# Altium PCB smoothieboard-5driver.PcbDoc (part 2 of 5) (continued)
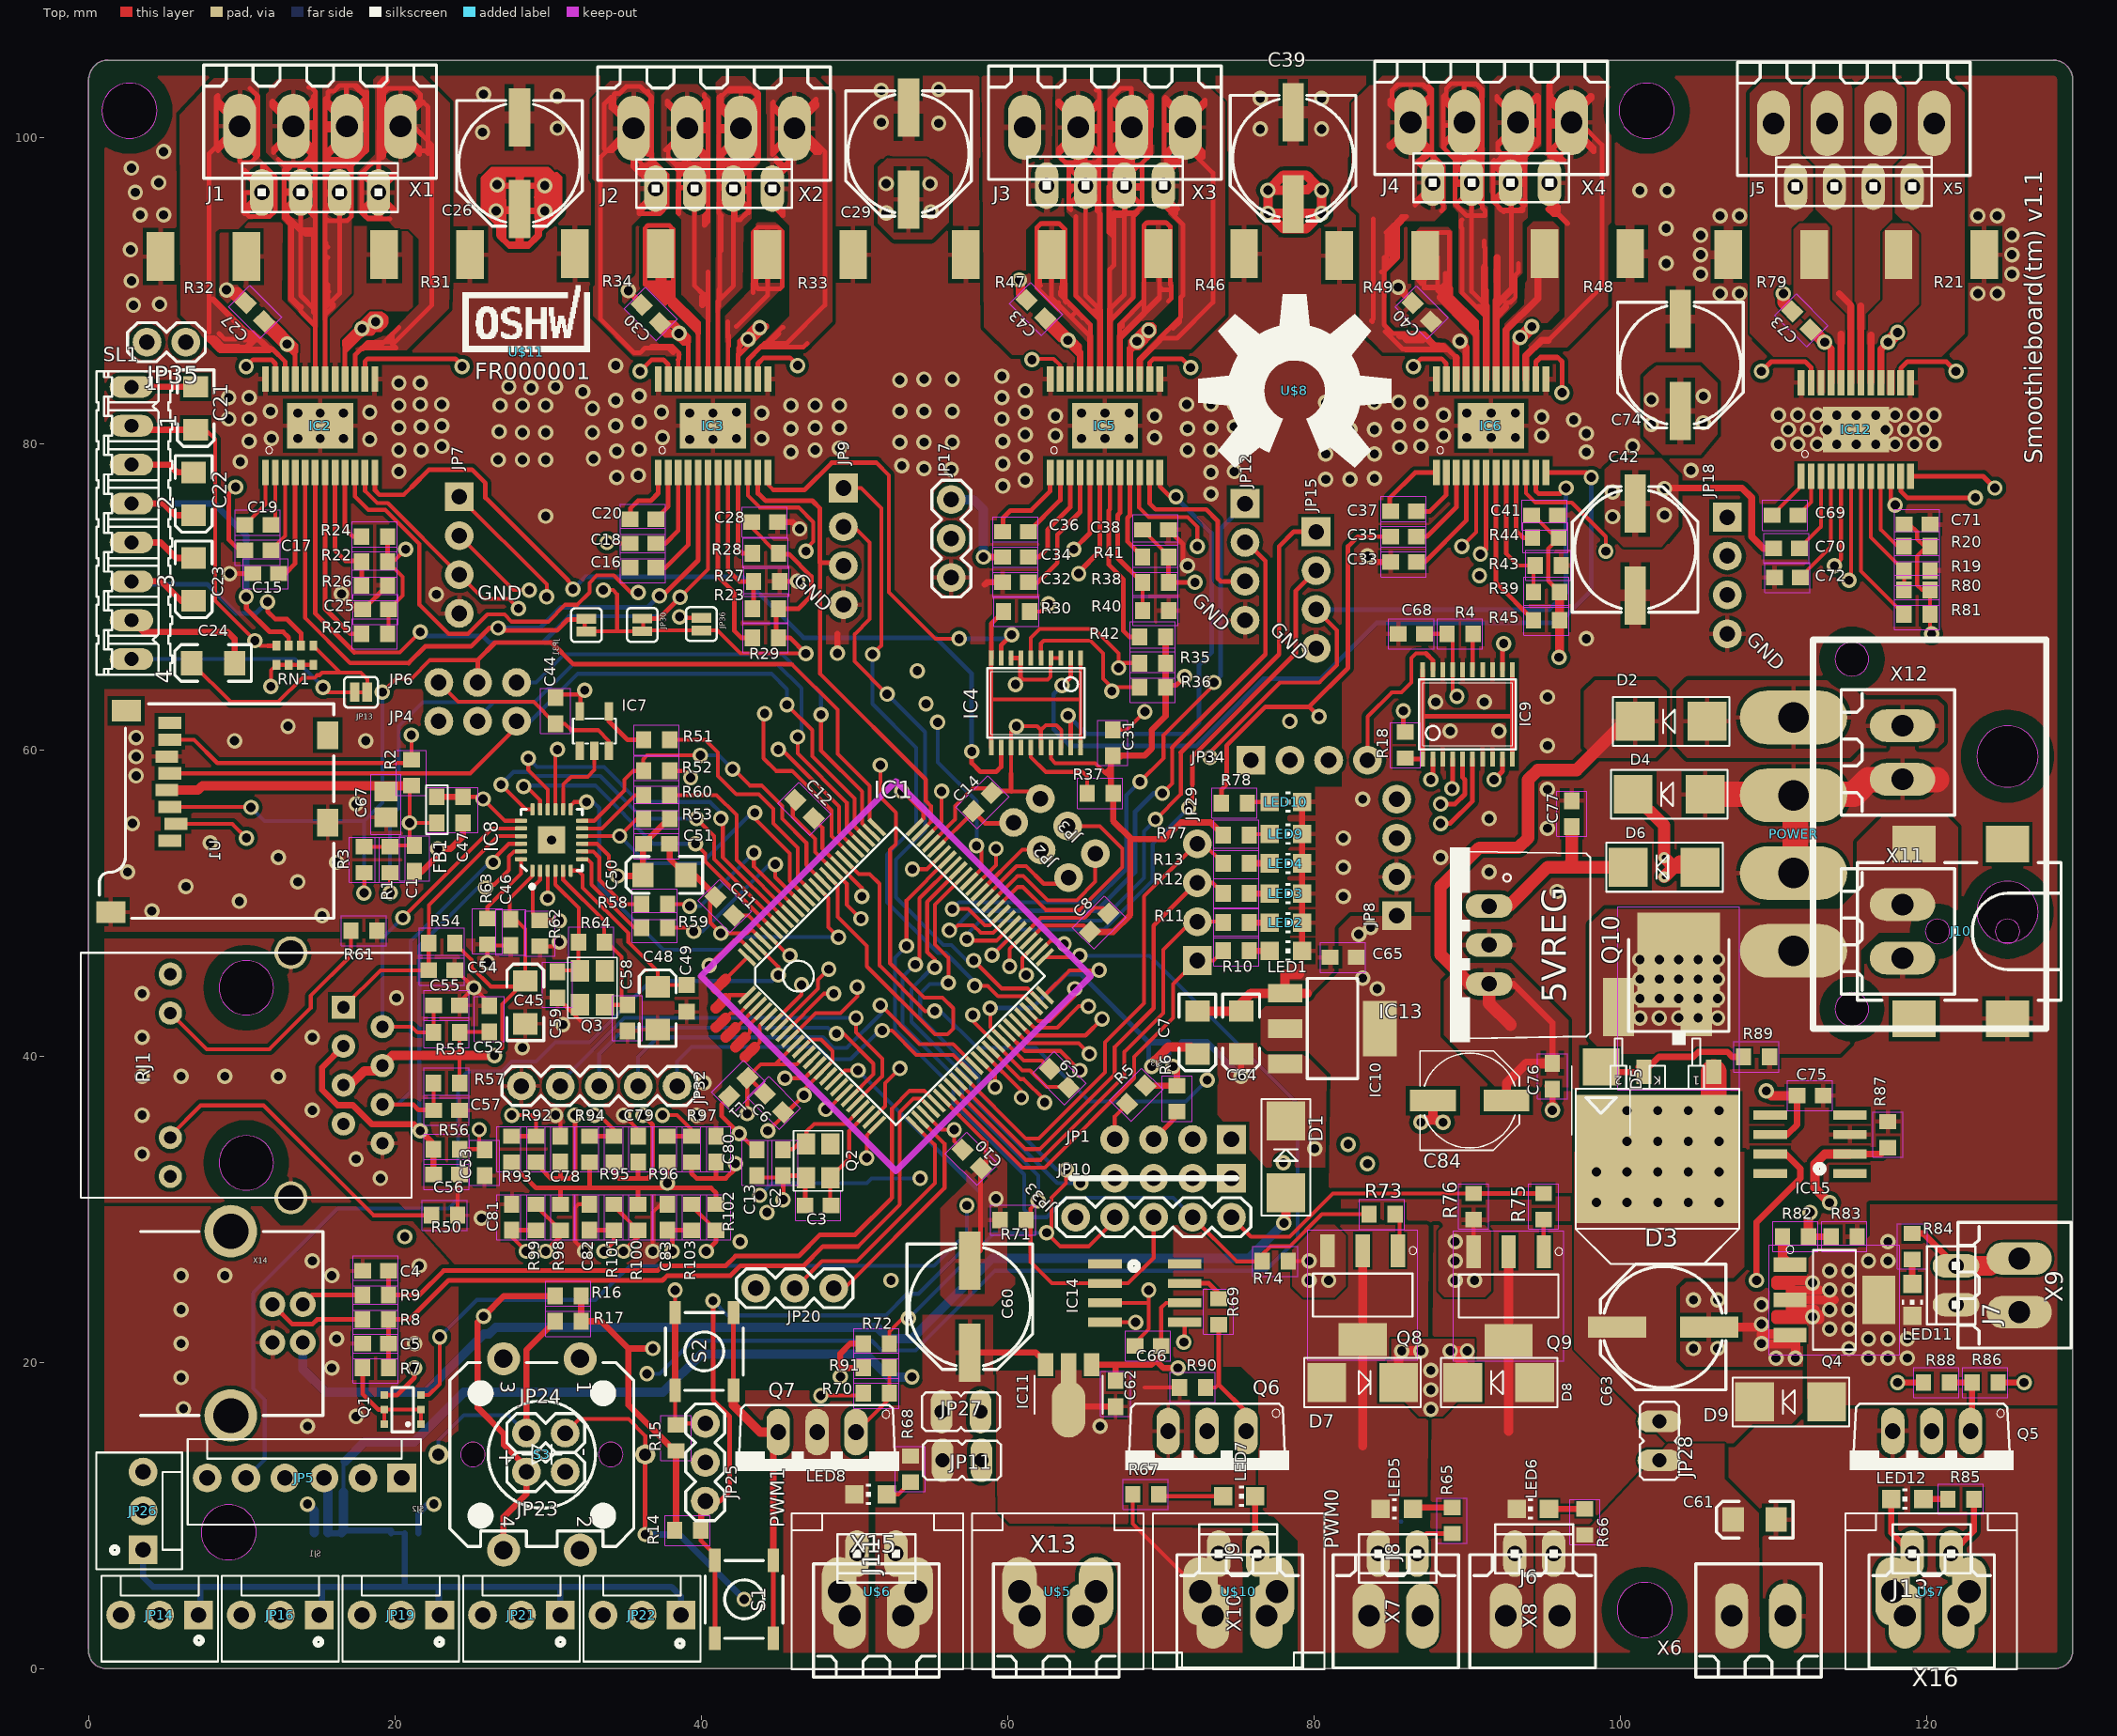
[diagram p0: Top view]
## Nets (pads, with @x,y where several pads share a name; then routed paths per layer and width w, separated by ;. In a path a pad name is that pad's centre, name@x,y a point inside that pad or via, vN(x,y) a via of type N, cw(c..) or ccw(c..) an arc to the next point about the centre after c; other vN are vias at no path point) (continued)
  Top w0.305: v1(9.216,71.501) C15.1@10.715,71.501 ; C25.2@17.891,69.151 17.939,69.151 R26.2@19.527,70.739 ; R34.1@31.688,92.329 R34.1@31.752,92.392 31.752,91.751 R34.1@31.695,91.694 ; S2.3@42.109,18.161 S2.4@42.109,23.241 ; S1.3@44.712,1.968 S1.4@44.712,7.048 ; R27.2@45.117,70.993 v1(46.3,70.993) ; v1(45.347,30.607) 45.347,32.067 C2.2@45.411,32.131 ; C2.2@45.347,32.17 46.451,32.17 46.808,31.813 C3.2@46.808,30.226 ; C60.-@57.476,26.543 58.238,27.305 58.238,32.575 58.619,32.956 58.619,34.036 ; C14.1@59,57.213 C14.1@58.965,57.179 59.101,57.315 60.232,57.315 ; 60.232,58.446 60.232,57.315 ; IC4.8@60.232,65.973 60.781,65.973 IC4.7@60.841,65.913 ; 60.27,57.277 60.232,57.315 ; v1(60.524,64.262) 60.841,64.579 IC4.7@60.841,65.913 ; IC4.7@60.841,66.04 IC4.7@60.841,65.913 ; C38.2@70.517,74.358 70.525,74.358 71.446,73.438 71.446,72.326 v1(71.763,72.009) ; Q8.3@80.893,27.284 Q8.3@80.949,27.34 ; Q9.3@90.418,27.22 90.432,27.234 R76.2@90.432,29.313
  Top w0.406: U1.GND1@1.46,49.392 U1.GND1@1.469,49.4 ; C27.2@10.008,89.029 v1(9.008,90.029) v1@9.258,90.029 ; C27.2@10.008,89.279 v1@9.258,90.029 ; C27.2@10.508,89.279 9.758,90.029 v1@9.258,90.029 ; IC2.P24@11.544,84.201 IC2.P24@11.546,84.203 ; IC2.EPAD@15.121,81.216 IC2.EPAD@15.185,81.153 ; C1.1@21.281,52.046 21.32,52.006 21.725,52.006 22.805,53.086 v1(22.805,53.53) 23.63,53.53 24.456,54.356 C47.2@24.456,55.221 ; v1(35.251,89.98) 36.11,89.12 C30.2@36.11,89.056 ; C51.2@37.942,53.848 37.942,52.874 C50.C@39,51.816 39.569,51.816 40.902,50.482 C11.1@40.902,50.419 ; S1.4@44.712,7.048 44.712,15.113 Q7.S@45.03,15.43 ; C28.2@44.99,74.867 45.982,74.867 v1(46.427,74.422) ; v1(48.903,66.294) 48.903,67.564 ; v1(49.094,19.05) 49.094,19.621 ; R91.2@50.593,19.621 49.094,19.621 ; R72.1@50.593,21.209 49.729,21.209 49.094,20.574 49.094,19.621 ; 58.508,70.779 58.658,70.929 C32.1@59.674,70.929 ; 63.988,16.919 IC11.2@63.988,19.586 ; 64.161,17.092 C62.2@67.062,17.092 ; LED1.C@79.227,46.863 LED2.C@79.227,48.704 LED3.C@79.227,50.609 LED4.C@79.227,52.578 LED9.C@79.227,54.483 LED10.C@79.227,56.578 ; v1@83.828,72.263 C33.1@85.01,72.263 ; v1(85.511,90.202) 85.511,90.101 C40.2@86.447,89.165 ; v1(95.576,36.449) 95.576,37.719 95.258,38.036 95.361,38.036 C76.2@95.576,37.822 ; R86.2@124.683,18.669 v1(126.373,18.669)
  Top w0.61: S2.3@42.109,18.161 42.109,17.179 43.857,15.43 Q7.S@45.03,15.43 ; v1(60.778,90.678) 60.778,90.361 60.841,90.297 60.841,89.789 C43.2@61.256,89.374 ; C7.C@72.398,42.929 C64.C@75.256,42.929 75.256,43.459 75.891,44.094 IC10.1@78.126,44.094 79.574,44.094 ; IC10.1@78.113,44.069 78.113,45.339 79.066,45.339 ; v1(85.511,90.202) v1@85.836,89.877 ; v1(87.003,35.655) 87.162,35.814 87.638,35.814 ; C84.-@87.638,37.084 C84.-@87.778,37.084 87.778,35.954 87.638,35.814 ; v1(88.432,35.655) 88.273,35.814 87.638,35.814 ; C63.-@105.814,22.288 109.038,22.288 v1(109.228,22.479) ; v1(111.451,20.256) 111.451,21.209 ; 111.451,21.209 v1(109.228,21.209) 109.228,21.844 111.451,21.844 111.451,21.209
  Top w0.813: D4.A@105.545,57.087 107.323,57.087 ; v1(110.657,89.789) 110.657,89.21 C73.2@111.237,88.63
  Top w1.676: D4.A@106.688,57.087 107.323,57.087 POWER.P$3@111.451,57.087 ; POWER.P$2@111.451,52.006 POWER.P$3@111.451,57.087 ; 120.658,58.039 118.436,58.039 116.213,58.039 115.261,57.087 POWER.P$3@111.451,57.087
  Top w2.54: IC2.EPAD@15.121,81.153 IC2.EPAD@15.185,81.153
  Route2 w0.254: v1@30.361,47.434 v1(30.742,47.434)
  Route2 w0.406: v1@22.678,53.404 v1(22.805,53.53) ; 75.129,17.335 75.192,17.399
  Route15 w0.406: Q5.S@117.801,15.494 117.801,17.081 119.388,18.669 v1(126.373,18.669)
  Route15 w0.813: JP10.1@74.621,32.004 76.983,32.004 v1(78.008,33.029)
  other v1: 14.296,15.811 66.048,15.811 17.471,16.447 6.202,16.957 6.041,18.986 15.883,19.621 110.181,20.256 104.783,20.892 106.371,20.892 6.041,21.209 21.281,21.209 16.201,21.526 6.041,23.431 109.228,23.749 104.783,24.066 106.371,24.066 79.701,25.336 80.971,25.336 89.226,25.336 90.496,25.336 6.041,25.654 8.898,25.654 15.883,25.654 21.598,26.289 14.613,26.607 89.226,26.607 89.226,27.877 25.657,29.407 59.254,30.67 19.058,32.004 17.471,33.274 3.501,33.591 3.501,36.131 39.696,36.131 14.613,36.449 40.175,38.23 3.501,38.672 6.041,38.672 8.898,38.672 12.391,38.672 28.325,40.544 3.501,41.212 14.613,41.212 30.967,42.04 20.11,43.792 3.501,44.069 15.248,49.149 4.136,49.466 9.851,50.102 81.923,50.419 95.893,50.736 6.358,51.054 13.661,51.371 2.548,52.006 91.448,52.006 81.923,52.324 16.201,52.642 12.391,52.959 88.273,52.959 7.946,53.911 30.234,54.102 81.923,54.229 95.258,54.864 2.866,55.181 91.448,55.499 17.471,56.451 83.193,56.769 95.258,57.404 3.11,58.292 3.11,59.542 95.258,60.261 9.533,60.579 18.106,60.579 3.11,60.792 88.908,61.214 92.083,61.214 13.026,61.531 78.431,61.849 87.956,63.119 91.131,63.119 95.258,63.436 97.798,67.246 22.712,70.138 83.511,72.644 29.853,75.248 73.287,76.708 59.698,77.216 61.159,77.597 80.78,77.66 82.368,77.66 83.955,77.724 34.489,77.787 35.886,77.915 73.287,78.105 20.265,78.168 74.811,78.168 104.627,78.235 56.333,78.295 54.555,78.359 53.094,78.549 59.698,78.676 9.914,78.803 26.742,78.93 28.329,78.93 29.853,78.93 32.965,78.994 61.159,79.121 80.78,79.311 82.368,79.311 83.955,79.311 45.855,79.438 97.798,79.438 34.489,79.502 20.265,79.566 21.725,79.566 47.443,79.566 71.763,79.566 73.287,79.566 35.949,79.629 74.811,79.629 49.03,79.692 85.606,79.756 23.059,79.819 87.003,79.819 100.817,79.822 110.339,79.947 111.609,79.947 112.879,79.947 114.149,79.947 115.419,79.947 116.689,79.947 117.959,79.947 119.229,79.947 120.499,79.947 52.967,80.073 54.555,80.073 56.396,80.073 10.486,80.137 59.698,80.137 18.36,80.264 39.251,80.264 40.775,80.264 11.946,80.328 13.661,80.328 15.121,80.328 16.645,80.328 42.299,80.328 43.95,80.328 64.842,80.328 66.366,80.328 67.953,80.328 37.473,80.391 69.604,80.391 89.988,80.391 91.575,80.391 93.163,80.391 63.127,80.518 88.464,80.518 94.877,80.518 61.159,80.581 97.798,80.645 28.329,80.709 29.853,80.709 32.901,80.709 26.805,80.772 82.368,80.899 83.955,80.899 110.974,80.899 112.244,80.899 113.514,80.899 117.324,80.899 118.594,80.899 119.864,80.899 45.855,80.962 71.763,80.962 80.78,80.962 20.265,81.026 47.443,81.026 49.03,81.026 73.287,81.026 21.725,81.09 74.811,81.09 23.059,81.153 34.425,81.153 85.543,81.153 87.003,81.216 35.949,81.407 96.973,81.534 9.152,81.597 10.486,81.597 59.635,81.597 63.127,81.788 69.604,81.788 88.464,81.852 110.339,81.852 111.609,81.852 112.879,81.852 114.149,81.852 115.419,81.852 116.689,81.852 117.959,81.852 119.229,81.852 120.499,81.852 13.661,81.978 15.121,81.978 16.645,81.978 39.251,81.978 40.775,81.978 43.95,81.978 64.842,81.978 66.366,81.978 67.953,81.978 89.988,81.978 91.575,81.978 93.163,81.978 18.36,82.042 37.41,82.042 42.299,82.042 61.159,82.042 11.883,82.105 52.967,82.105 54.555,82.105 56.396,82.105 32.901,82.296 20.265,82.486 26.869,82.486 28.329,82.486 29.853,82.486 45.855,82.486 47.443,82.486 49.03,82.486 21.662,82.55 23.059,82.55 71.7,82.55 73.287,82.55 74.811,82.55 80.78,82.677 82.368,82.677 83.955,82.677 85.543,82.677 87.003,82.677 34.425,82.804 9.152,82.995 10.486,82.995 59.635,82.995 35.949,83.121 32.266,83.376 61.159,83.439 28.901,83.629 27.44,83.693 30.488,83.693 20.265,83.947 21.662,83.947 52.967,84.138 54.555,84.201 56.396,84.201 59.635,84.391 34.425,85.09 2.929,89.027 4.644,89.09 106.529,89.789 107.799,89.789 123.357,89.789 124.627,89.789 2.802,90.614 105.259,91.059 125.579,91.059 103.005,91.757 105.259,92.329 125.579,92.329 2.739,92.647 105.259,93.599 125.579,93.599 103.005,94.043 106.529,94.869 107.799,94.869 123.357,94.869 124.627,94.869 3.374,94.932 4.898,94.932 3.056,96.393 101.291,96.52 103.069,96.52 4.58,97.028 2.802,97.98 4.898,99.06 25.726,100.33 76.508,100.529 80.508,100.529 30.615,100.584 55.507,100.901 51.761,100.965 76.508,102.529 80.508,102.529 30.615,102.679 25.789,102.806 51.761,103.06 55.507,103.124
  other v3: 94.877,81.724
GPIO_FET: Q7.G R70.2 R91.1 | length 5.1
  Top w0.254: Q7.G@50.11,15.43 52.293,17.614 R70.2@52.293,17.97 R91.1@52.293,19.621
GPIO_FET1: Q5.G R86.1 R88.1 | length 4.7
  Top w0.406: R88.1@121.508,18.669 R86.1@122.983,18.669 122.983,15.597 Q5.G@122.881,15.494
ISP_BOOT: IC1.53 JP25.3 R15.1 S2.1 S2.2 | length 52
  Top w0.254: S2.1@38.299,18.161 38.299,15.963 R15.1@38.362,15.899 ; S2.2@38.299,23.241 v1(38.299,24.701) ; R15.1@38.465,16.002 R15.1@38.362,15.899 ; JP25.3@40.267,16.002 38.362,16.002 R15.1@38.362,15.899 ; v1(61.222,45.276) 60.968,45.529 60.968,46.396 IC1.53@61.729,47.157
  Top w0.406: S2.1@38.299,18.161 S2.2@38.299,23.241
  Route2 w0.254: v1(38.299,24.701) 38.616,25.019 41.601,25.019 43.506,26.924 48.586,26.924 49.856,28.194 49.856,33.591 51.126,34.861 51.126,39.624 52.713,41.212 59.381,41.212 61.222,43.053 v1(61.222,45.276)
JTAG-RTCK: IC1.100 | length 2.9
  Top w0.254: 41.601,45.021 42.99,46.411 IC1.100@42.99,46.449
  Top w0.711: 40.966,44.386 41.601,45.021
JTAG-TCK: IC1.5 | length 3.3
  Top w0.254: 43.506,40.576 43.823,40.894 43.823,41.979 IC1.5@44.404,42.56
  Top w0.711: 42.871,39.941 43.506,40.576
JTAG-TDI: IC1.2 | length 3.1
  Top w0.254: 41.601,42.481 41.918,42.799 42.522,42.799 IC1.2@43.344,43.621
  Top w0.711: 40.966,41.846 41.601,42.481
JTAG-TDO: IC1.1 | length 2.4
  Top w0.254: 41.601,43.752 41.824,43.975 IC1.1@42.99,43.975
  Top w0.711: 40.966,43.116 41.601,43.752
JTAG-TMS: IC1.3 | length 2.9
  Top w0.254: 42.236,41.846 42.276,41.846 IC1.3@43.697,43.267
  Top w0.711: 41.601,41.212 42.236,41.846
JTAG-TRST: IC1.4 | length 3.1
  Top w0.254: 42.871,41.212 43.188,41.529 43.188,42.051 IC1.4@44.051,42.914
  Top w0.711: 42.236,40.576 42.871,41.212
LED1: IC1.32 JP29.1 R10.2 | length 28
  Top w0.254: IC1.32@56.072,37.611 60.98,32.703 62.429,32.703 68.271,38.544 68.271,39.941 70.811,42.481 70.811,44.704 72.335,46.228 JP29.1@72.398,46.228 73.453,46.228 R10.2@74.088,46.863
LED1/REGOFF: IC8.3 RJ1.G+ | length 32.3
  Top w0.254: v1(29.98,50.292) 29.984,50.296 IC8.3@29.984,52.102
  Route2 w0.254: RJ1.G+@5.342,45.339 5.342,44.695 8.808,41.229 11.708,41.229 18.294,47.816 20.963,47.816 22.995,49.847 29.536,49.847 v1(29.98,50.292)
LED2: IC1.33 JP29.2 R11.2 | length 29.5
  Top w0.254: IC1.33@56.425,37.964 61.179,33.21 62.175,33.21 67.636,38.672 67.636,40.259 70.176,42.799 70.176,46.926 72.017,48.768 JP29.2@72.398,48.768 ; JP29.2@72.335,48.704 JP29.2@72.398,48.768 ; R11.2@74.088,48.704 74.025,48.768 JP29.2@72.398,48.768
LED2/NINTSEL: IC8.2 R62.2 RJ1.Y+ | length 40.3
  Top w0.254: IC8.2@29.484,52.102 29.484,51.505 29.008,51.029 29.008,49.32 R62.2@29.472,48.856 30.718,48.856 v1(30.742,48.831)
  Route2 w0.254: RJ1.Y+@5.342,32.131 6.93,33.718 6.93,38.544 8.898,40.513 11.946,40.513 18.55,47.117 21.408,47.117 23.376,49.085 30.488,49.085 v1(30.742,48.831)
LED3: IC1.34 JP29.3 R12.2 | length 30.8
  Top w0.254: IC1.34@56.779,38.318 61.187,33.909 62.111,33.909 67.001,38.798 67.001,40.576 69.541,43.116 69.541,48.514 72.335,51.308 JP29.3@72.398,51.308 73.39,51.308 R12.2@74.088,50.609
LED4: IC1.35 JP29.4 R13.2 | length 32.4
  Top w0.254: IC1.35@57.132,38.671 61.196,34.608 62.048,34.608 66.366,38.925 66.366,40.894 68.906,43.434 68.906,50.419 72.335,53.848 JP29.4@72.398,53.848 72.818,53.848 R13.2@74.088,52.578
MISO1: IC1.61 JP3.1 | length 10.6
  Top w0.254: IC1.61@58.9,49.985 58.9,50.002 60.651,51.752 61.032,51.752 62.619,50.165 64.524,50.165 65.731,51.371 JP3.1@65.731,53.213
MOSFET_DRIVE: C60.+ IC11.3 J9.2 J11.2 JP11.1 JP27.1 R67.1 R68.1 U$5.P$1 U$6.P$2 U$10.P$2 X10.2 X13.1 X15.2 | length 13.5
  Top w0.254: R67.1@68.183,11.367 68.183,9.442 U$10.P$2@72.595,5.029
  Top w0.406: C60.+@57.554,20.637 C60.+@57.539,20.622 61.854,20.622 62.489,19.987 IC11.3@62.489,19.84
MOSI1: IC1.60 JP3.2 | length 16
  Top w0.254: IC1.60@59.254,49.631 60.651,51.029 61.008,51.029 62.507,49.53 64.715,49.53 67.509,52.324 67.509,53.53 66.03,55.009 JP3.2@63.934,55.009
MS1: IC2.P05 IC3.P05 IC5.P05 IC6.P05 IC12.P05 JP31.2 | length 169
  Top w0.254: IC2.P05@14.146,78.103 14.146,68.603 17.09,65.659 20.9,65.659 ; v1(89.67,73.279) 90.6,74.209 IC6.P05@90.6,78.103 ; v1(113.991,72.009) 114.421,72.439 IC12.P05@114.42,77.859
  Top w0.305: 20.9,65.659 21.979,66.739 24.964,66.739 26.17,67.945 v1(26.742,67.945) 26.9,67.786 30.583,67.786 31.307,68.51 32.507,68.51 JP31.2@32.507,68.547 ; v1(37.283,70.04) 37.473,70.04 39.8,72.367 IC3.P05@39.8,78.103 ; v1@64.397,73.152 v1(64.334,73.088) 65.39,74.145 IC5.P05@65.39,78.103
  Route15 w0.254: v1(37.283,70.04) 37.632,70.39 37.822,70.39 38.172,70.739 45.315,70.739 47.855,68.199 50.491,68.199 51.316,69.025 58.746,69.025 62.81,73.088 v1(64.334,73.088) 67.699,73.088 74.684,66.103 76.775,66.103 78.934,63.944 83.268,63.944 83.828,64.504 83.828,70.421 86.686,73.279 v1(89.67,73.279) 90.305,73.914 91.131,73.914 93.036,72.009 104.148,72.009 104.783,72.644 104.783,76.454 105.736,77.406 108.276,77.406 109.228,76.454 109.228,72.644 109.863,72.009 v1(113.991,72.009)
  Bottom w0.305: v1(26.742,67.945) 29.472,67.945 30.837,69.31 36.521,69.31 37.251,70.04 v1(37.283,70.04)
MS2: IC2.P06 IC3.P06 IC5.P06 IC6.P06 IC12.P06 JP30.1 | length 174.2
  Top w0.254: 17.344,66.358 20.328,66.358 v1(21.662,67.691) ; v1(38.616,69.945) 40.45,71.779 IC3.P06@40.45,78.103 ; v1(90.877,72.771) v1@90.94,72.771 ; v1(114.943,71.056) 115.071,71.184 IC12.P06@115.07,77.859
  Top w0.305: IC2.P06@14.796,78.103 14.796,68.905 17.344,66.358 ; JP30.1@36.152,68.56 37.231,68.56 v1(38.616,69.945) ; v1@64.715,71.501 v1(64.651,71.501) ; v1@90.94,72.771 91.25,73.081 IC6.P06@91.25,78.103 ; v1(64.651,71.501) 64.651,71.564 66.04,72.954 IC5.P06@66.04,78.103 66.04,73.017 64.905,71.882 64.905,71.755 v1(64.651,71.501)
  Route15 w0.254: v1(38.616,69.945) 40.426,69.945 41.664,68.707 46.554,68.707 47.697,67.564 50.872,67.564 51.634,68.326 59.19,68.326 62.365,71.501 v1(64.651,71.501) 68.334,71.501 74.494,65.341 76.521,65.341 78.617,63.246 83.4,63.246 84.4,64.246 84.4,70.04 86.686,72.326 90.432,72.326 v1(90.877,72.771) 92.274,71.374 104.466,71.374 105.418,72.326 105.418,76.136 106.053,76.772 107.958,76.772 108.593,76.136 108.593,72.326 109.546,71.374 113.356,71.374 113.673,71.056 v1(114.943,71.056)
  Bottom w0.254: 31.377,68.707 37.378,68.707 v1(38.616,69.945)
  Bottom w0.305: v1(21.662,67.691) 21.725,67.691 21.979,67.437 25.726,67.437 26.17,66.992 29.663,66.992 31.377,68.707
MS3: IC2.P10 IC3.P10 IC5.P10 IC6.P10 IC12.P10 JP36.1 | length 168.9
  Top w0.254: IC2.P10@17.396,78.103 17.396,76.528 18.264,75.66 19.376,75.66 21.598,73.438 21.598,69.469 23.503,67.564 24.773,67.564 26.043,68.834 27.154,68.834 27.631,68.358 30.012,68.358 31.123,69.469 31.917,69.469 32.711,70.263 32.711,70.898 33.187,71.374 34.298,71.374 35.409,70.263 v1(35.886,70.263) ; v1(38.584,68.675) 38.649,68.611 JP36.1@40.013,68.611 ; IC3.P10@43.05,78.103 43.05,76.592 43.823,75.819 46.363,75.819 47.316,74.867 47.316,73.596 46.839,73.12 v1(46.839,72.962) ; IC5.P10@68.641,78.103 68.588,78.05 68.588,75.819 69.223,75.184 71.763,75.184 72.398,74.549 v1(72.398,73.279) ; IC6.P10@93.85,78.103 93.85,76.751 94.464,76.136 96.846,76.136 99.068,73.914 v1(99.068,72.962) ; IC12.P10@117.67,77.859 117.67,76.267 v1(117.959,75.978)
  Route15 w0.254: v1(38.584,68.675) 37.156,68.675 35.886,69.945 v1(35.886,70.263) 35.886,70.421 36.838,71.374 45.252,71.374 v1(46.839,72.962) 46.839,72.168 48.268,70.739 53.983,70.739 55.253,69.469 57.793,69.469 62.238,73.914 71.763,73.914 v1(72.398,73.279) 71.763,73.279 70.493,72.009 70.493,71.374 74.938,66.929 77.478,66.929 79.383,65.024 82.558,65.024 83.193,65.659 83.193,70.739 86.368,73.914 88.273,73.914 88.908,74.549 91.448,74.549 93.036,72.962 v1(99.068,72.962) 99.386,72.644 103.513,72.644 104.148,73.279 104.148,76.454 106.053,78.359 108.593,78.359 110.974,75.978 v1(117.959,75.978)
N$1: C2.1 IC1.22 Q2.2 | length 7.1
  Top w0.254: C2.1@45.39,34.247 45.347,34.29 C2.1@45.347,33.87 45.386,33.909 45.982,33.909 46.32,34.247 Q2.2@46.833,34.247 46.871,34.285 46.871,35.052 47.379,35.56 49.425,35.56 IC1.22@50.415,36.55
N$2: C3.1 IC1.23 Q2.1 | length 7.1
  Top w0.254: C3.1@48.522,30.226 C3.1@48.483,30.226 48.395,30.226 48.433,30.264 Q2.1@48.433,32.047 49.665,33.279 49.665,35.093 IC1.23@50.768,36.196
N$3: C20.2 IC3.P01 | length 4.3
  Top w0.305: C20.2@35.353,75.057 35.378,75.081 35.378,75.755 35.886,76.263 36.711,76.263 37.2,76.752 IC3.P01@37.2,78.103
N$4: C20.1 IC3.P02 | length 3.4
  Top w0.254: C20.1@37.029,75.057 C20.1@37.053,75.057
  Top w0.305: C20.1@37.029,75.057 37.85,75.878 IC3.P02@37.85,78.103
N$5: IC14.7 R69.1 | length 3
  Top w0.254: IC14.7@71.569,25.146 IC14.7@71.569,25.29
  Top w0.305: IC14.7@71.569,25.146 73.15,25.146 73.785,24.511 R69.1@73.785,24.144
  Top w0.406: IC14.7@71.569,25.146 IC14.7@71.586,25.129
N$6: IC2.P07 R25.1 | length 12.1
  Top w0.305: IC2.P07@15.446,78.103 15.446,69.207 17.09,67.564 R25.1@17.827,67.564 R25.1@17.979,67.564
N$7: C18.2 IC3.P03 | length 5.6
  Top w0.305: C18.2@37.053,73.469 37.664,73.469 38.5,74.306 IC3.P03@38.5,78.103
N$8: IC3.P17 R33.2 | length 22.9
  Top w0.305: 41.728,87.947 41.728,86.931 41.791,86.868 ; IC3.P17@41.75,84.203 41.75,87.145 ; 41.791,86.36 41.791,86.868 ; 41.791,87.058 41.791,86.868 ; 42.299,87.63 44.331,89.662 R33.2@44.331,92.386 ; 43.379,89.852 43.379,90.678 ; R33.2@43.633,90.805 43.569,90.742 43.569,90.297 43.633,90.233 43.633,90.17 43.696,90.106 45.157,90.106 45.284,90.233 45.284,93.853 45.03,94.107 43.696,94.107 43.379,93.789 43.379,90.678 ; R33.2@43.696,90.995 43.379,90.678
N$9: IC3.P20 R34.2 | length 38.6
  Top w0.305: 36.33,90.361 36.33,90.614 ; 36.457,90.297 36.521,90.297 ; 37.283,90.487 37.219,90.487 ; R34.2@37.352,92.392 37.346,92.386 37.346,89.789 39.8,87.335 39.8,87.185 ; 37.854,90.297 37.854,89.98 37.981,89.852 37.981,89.725 38.045,89.789 38.045,90.424 37.981,90.487 37.41,90.487 37.029,90.106 36.965,90.106 37.029,90.043 37.092,90.043 37.092,89.852 37.664,89.281 37.664,89.154 36.521,90.297 ; 37.981,89.027 39.759,87.249 ; IC3.P20@39.8,84.203 39.8,87.185 ; 39.823,87.185 39.823,87.884 38.172,89.535 38.172,93.98 37.918,94.234 36.521,94.234 36.33,94.043 36.33,90.614 ; 36.33,90.614 36.457,90.487 37.156,90.487 ; 36.521,90.297 37.156,90.297 37.156,90.487 ; 37.156,90.487 37.219,90.487 ; 37.156,90.487 R34.2@37.156,90.995 ; R34.2@37.156,90.995 37.346,90.805 37.6,90.805 37.6,89.852 39.315,88.138 39.315,88.075 39.759,87.63 39.759,87.249 ; R34.2@37.156,90.995 37.219,91.059 37.219,90.487 ; 39.759,87.249 39.759,87.185 39.8,87.185
N$10: IC3.P18 J2.2 X2.2 | length 111.7
  Top w0.254: 41.22,92.456 41.347,92.583 41.347,94.869
  Top w0.305: IC3.P18@41.1,84.203 41.1,89.154 ; 41.156,88.963 41.156,89.154 ; 41.22,89.98 41.22,90.106 41.156,90.043 41.156,89.154 ; 41.22,94.932 41.22,92.456 41.22,89.725 41.283,89.662 ; 41.347,94.869 41.156,95.059 41.156,96.647 ; X2.2@42.363,100.139 41.22,98.996 41.22,98.679 ; X2.2@42.589,100.584 42.589,97.127 J2.2@42.109,96.647 ; 41.1,89.154 41.156,89.154 ; 41.1,89.154 41.1,89.289 42.109,90.297 J2.2@42.109,96.647 ; 41.156,96.647 41.156,96.774 ; 41.156,96.647 J2.2@42.109,96.647 ; 41.156,96.774 42.172,96.774 42.236,96.71 42.236,96.647 J2.2@42.045,96.456 ; 41.156,96.774 41.156,97.853 ; 41.156,97.853 J2.2@42.172,96.837 ; 41.156,97.853 41.156,98.044 ; 41.156,98.044 J2.2@42.172,97.028 ; 41.156,98.044 41.156,98.108 ; 41.156,98.108 41.22,98.044 41.41,98.044 41.537,98.171 42.299,98.171 42.426,98.298 ; 41.156,98.108 41.156,98.742 ; 41.156,98.742 41.156,98.806 ; 41.156,98.742 41.22,98.679 ; 41.156,98.806 41.474,98.489 X2.2@42.744,98.489 ; 41.156,98.806 41.156,100.584 ; 41.156,100.584 42.553,100.584 42.617,100.52 X2.2@42.617,100.584 ; 41.156,100.584 41.156,102.616 41.283,102.743 41.41,102.743 41.855,103.188 43.188,103.188 43.696,102.679 43.696,102.933 43.76,102.87 43.76,102.298 ; 41.22,98.679 42.553,100.013 42.553,100.203 42.617,100.266 42.617,100.901 41.347,102.171 ; 41.22,98.679 41.537,98.361 42.49,98.361 42.426,98.425 42.426,100.647 X2.2@42.49,100.711 ; 41.347,101.981 41.347,102.171 ; 41.347,101.981 42.49,100.838 42.49,100.52 41.347,101.663 41.347,101.981 ; 41.347,102.171 41.347,102.679 41.664,102.997 43.506,102.997 43.696,102.806 43.696,102.616 42.617,101.536 42.617,101.155 43.76,102.298 ; J2.2@41.982,96.393 41.22,95.631 41.22,95.377 41.982,96.139 J2.2@41.982,96.393 ; J2.2@41.982,96.393 J2.2@42.045,96.456 ; J2.2@42.045,96.456 42.045,96.329 42.998,95.377 42.998,95.504 42.172,96.329 J2.2@42.172,96.647 ; J2.2@42.109,96.647 42.172,96.584 42.172,96.456 43.061,96.456 43.061,96.647 J2.2@42.172,96.647 ; J2.2@42.109,96.647 J2.2@42.172,96.647 ; J2.2@42.109,96.647 42.236,96.52 42.236,94.678 42.299,94.615 42.553,94.615 42.998,95.059 43.125,95.059 43.125,97.917 43.506,98.298 ; J2.2@42.172,96.647 J2.2@42.172,96.837 ; J2.2@42.172,96.837 J2.2@42.172,96.965 ; J2.2@42.172,96.965 42.998,97.79 ; J2.2@42.172,96.965 J2.2@42.172,97.028 ; J2.2@42.172,97.028 J2.2@42.172,97.091 ; J2.2@42.172,97.091 42.172,98.234 42.236,98.298 ; J2.2@42.172,97.091 43.061,97.98 43.061,97.853 42.998,97.79 ; 42.236,98.298 41.41,98.298 41.283,98.171 41.283,98.361 42.426,98.361 42.998,97.79 ; 42.236,98.298 42.426,98.298 ; 42.426,98.298 43.506,98.298 ; X2.2@42.49,100.711 41.22,100.711 41.22,100.393 X2.2@42.744,100.393 ; X2.2@42.49,100.711 X2.2@42.553,100.711 ; X2.2@42.553,100.711 X2.2@42.617,100.647 ; X2.2@42.553,100.711 42.744,100.711 X2.2@42.744,100.393 ; X2.2@42.617,100.584 43.76,100.584 ; X2.2@42.617,100.584 X2.2@42.617,100.647 ; X2.2@42.617,100.647 42.617,100.711 42.68,100.774 43.633,100.774 43.696,100.711 43.696,100.584 43.76,100.52 ; X2.2@42.744,98.489 X2.2@42.744,100.393 ; X2.2@42.744,98.489 42.871,98.361 42.871,98.171 42.934,98.108 43.125,98.108 42.998,97.98 42.998,97.79 ; X2.2@42.744,98.489 43.696,98.489 ; X2.2@42.744,100.393 43.76,100.393 ; 43.506,98.298 43.696,98.489 ; 43.696,98.489 43.76,98.552 43.76,98.679 ; 43.696,98.742 42.617,99.822 42.617,100.076 43.696,98.996 ; 43.696,98.742 43.696,98.996 ; 43.696,98.742 43.696,98.615 43.76,98.679 ; 43.696,98.996 43.696,99.06 43.76,99.123 ; 43.76,98.679 43.76,99.123 ; 43.76,99.123 43.76,100.393 ; 43.76,100.393 43.76,100.52 ; 43.76,100.52 43.76,100.584 ; 43.76,100.584 43.76,102.298
N$11: IC3.P15 J2.1 X2.1 | length 66.9
  Top w0.305: IC3.P15@43.05,84.203 43.05,85.46 43.887,86.296 ; J2.1@44.585,96.901 44.585,95.631 45.347,94.869 45.347,95.186 44.712,95.822 44.712,96.584 44.776,96.647 44.776,97.155 45.728,98.108 45.411,98.108 44.903,98.615 44.903,98.361 45.22,98.044 45.411,98.044 46.173,98.806 X2.1@46.173,100.584 ; J2.1@44.649,96.647 44.649,97.346 47.22,99.917 ; 44.712,99.123 44.649,99.187 44.649,101.917 ; 45.093,87.185 44.458,86.55 ; 45.347,87.566 45.284,87.566 44.268,86.55 ; X2.1@46.046,100.584 46.046,100.774 47.506,102.235 ; X2.1@46.088,100.584 X2.1@46.173,100.584 ; 46.935,86.55 46.681,86.296 43.887,86.296 ; 43.887,86.296 44.141,86.55 44.268,86.55 ; 44.268,86.55 44.458,86.55 ; 44.458,86.55 45.601,86.55 48.078,89.027 48.078,99.06 47.22,99.917 ; 44.649,101.917 44.649,102.235 44.712,102.298 44.712,102.108 X2.1@45.982,100.838 ; 44.649,101.917 46.046,100.52 44.649,99.123 44.649,98.87 46.046,100.266 46.173,100.139 46.3,100.139 47.443,98.996 47.76,98.996 46.236,100.52 46.236,100.647 X2.1@46.173,100.584 ; X2.1@45.982,100.774 47.443,102.235 47.506,102.235 ; X2.1@45.982,100.774 X2.1@46.173,100.584 ; X2.1@45.982,100.774 X2.1@45.982,100.838 ; X2.1@45.982,100.838 45.982,100.965 47.506,102.489 47.506,102.235 ; X2.1@46.173,100.584 46.173,100.647 47.57,102.044 47.57,102.171 47.506,102.235 ; X2.1@46.173,100.584 46.554,100.584 47.22,99.917
N$12: IC3.P19 J2.3 X2.3 | length 72.4
  Top w0.254: 40.45,89.416 40.45,89.654 40.458,89.662
  Top w0.305: 37.918,98.615 38.235,98.298 39.124,98.298 ; 38.489,98.171 38.426,98.108 38.426,97.917 38.553,97.79 38.553,94.996 38.489,95.059 38.489,96.52 38.68,96.71 40.458,96.71 ; 38.553,98.171 38.934,98.171 ; X2.3@38.934,100.965 37.791,102.108 37.791,102.362 38.934,101.219 39.124,101.219 40.331,102.425 40.394,102.425 ; X2.3@39.061,100.52 X2.3@39.061,100.393 ; 40.204,102.806 40.204,102.616 40.394,102.425 ; 40.394,89.344 40.458,89.408 40.458,89.662 40.458,91.186 ; IC3.P19@40.45,84.203 40.45,89.416 40.172,89.694 39.569,90.297 J2.3@39.569,96.584 ; 37.854,99.187 X2.3@39.061,100.393 ; 37.854,99.187 37.664,99.187 38.87,100.393 X2.3@38.934,100.393 ; 37.854,99.187 37.854,98.679 38.299,98.234 38.87,98.234 38.87,100.647 39.124,100.647 38.997,100.52 38.997,98.489 39.124,98.361 39.124,98.298 ; 38.934,98.171 38.68,97.917 38.68,97.536 39.315,98.171 ; 38.934,98.171 39.315,98.171 ; X2.3@38.934,100.393 X2.3@39.061,100.393 ; X2.3@38.934,100.393 38.997,100.457 38.997,100.647 39.061,100.584 40.458,100.584 ; X2.3@39.061,100.393 39.061,99.758 40.267,98.552 ; X2.3@39.061,100.393 40.458,100.393 ; 39.124,98.298 39.188,98.361 39.188,100.774 39.251,100.838 40.458,100.838 ; 39.124,98.298 40.331,98.298 40.458,98.425 ; 39.315,98.171 39.886,98.171 ; J2.3@39.569,96.584 39.632,96.52 40.458,96.52 ; J2.3@39.569,96.584 J2.3@39.569,96.647 39.569,96.71 39.632,96.774 40.394,96.774 40.458,96.71 ; 39.886,98.171 40.267,98.552 ; 39.886,98.171 40.013,98.171 ; 40.013,98.171 40.458,97.727 ; 40.013,98.171 40.394,98.171 40.458,98.108 ; 40.267,98.552 40.267,98.679 40.394,98.806 39.124,100.076 39.124,100.965 39.251,101.092 39.315,101.092 40.394,102.171 40.394,102.425 ; 40.267,98.552 40.458,98.742 ; 40.394,102.425 40.458,102.362 40.458,100.838 ; 40.458,95.123 40.458,96.52 ; 40.458,95.123 40.204,94.869 40.204,94.234 40.458,94.488 40.458,95.123 ; 40.458,96.52 40.458,96.71 ; 40.458,96.71 40.458,97.727 ; 40.458,97.727 40.458,98.108 ; 40.458,98.108 40.458,98.425 ; 40.458,98.425 40.458,98.742 ; 40.458,98.742 40.458,100.393 ; 40.458,100.393 40.458,100.584 ; 40.458,100.584 40.458,100.838
  Top w0.406: 40.077,89.027 40.077,89.599 40.172,89.694
N$13: IC4.15 R37.1 | length 5.9
  Top w0.254: IC4.15@61.532,60.138 61.532,59.507 62.492,58.547 64.905,58.547 65.198,58.254 R37.1@65.198,57.15